# Altium PCB top.PcbDoc (part 2 of 5)
Units mil, origin at the board's own origin, x right, y up, seen from the top; angles counter-clockwise.
Board outline 12029.02 x 5828 mil, 2 copper layers (Top Layer, Bottom Layer); 703 components, 430 nets, 1840 pads, 2249 vias.
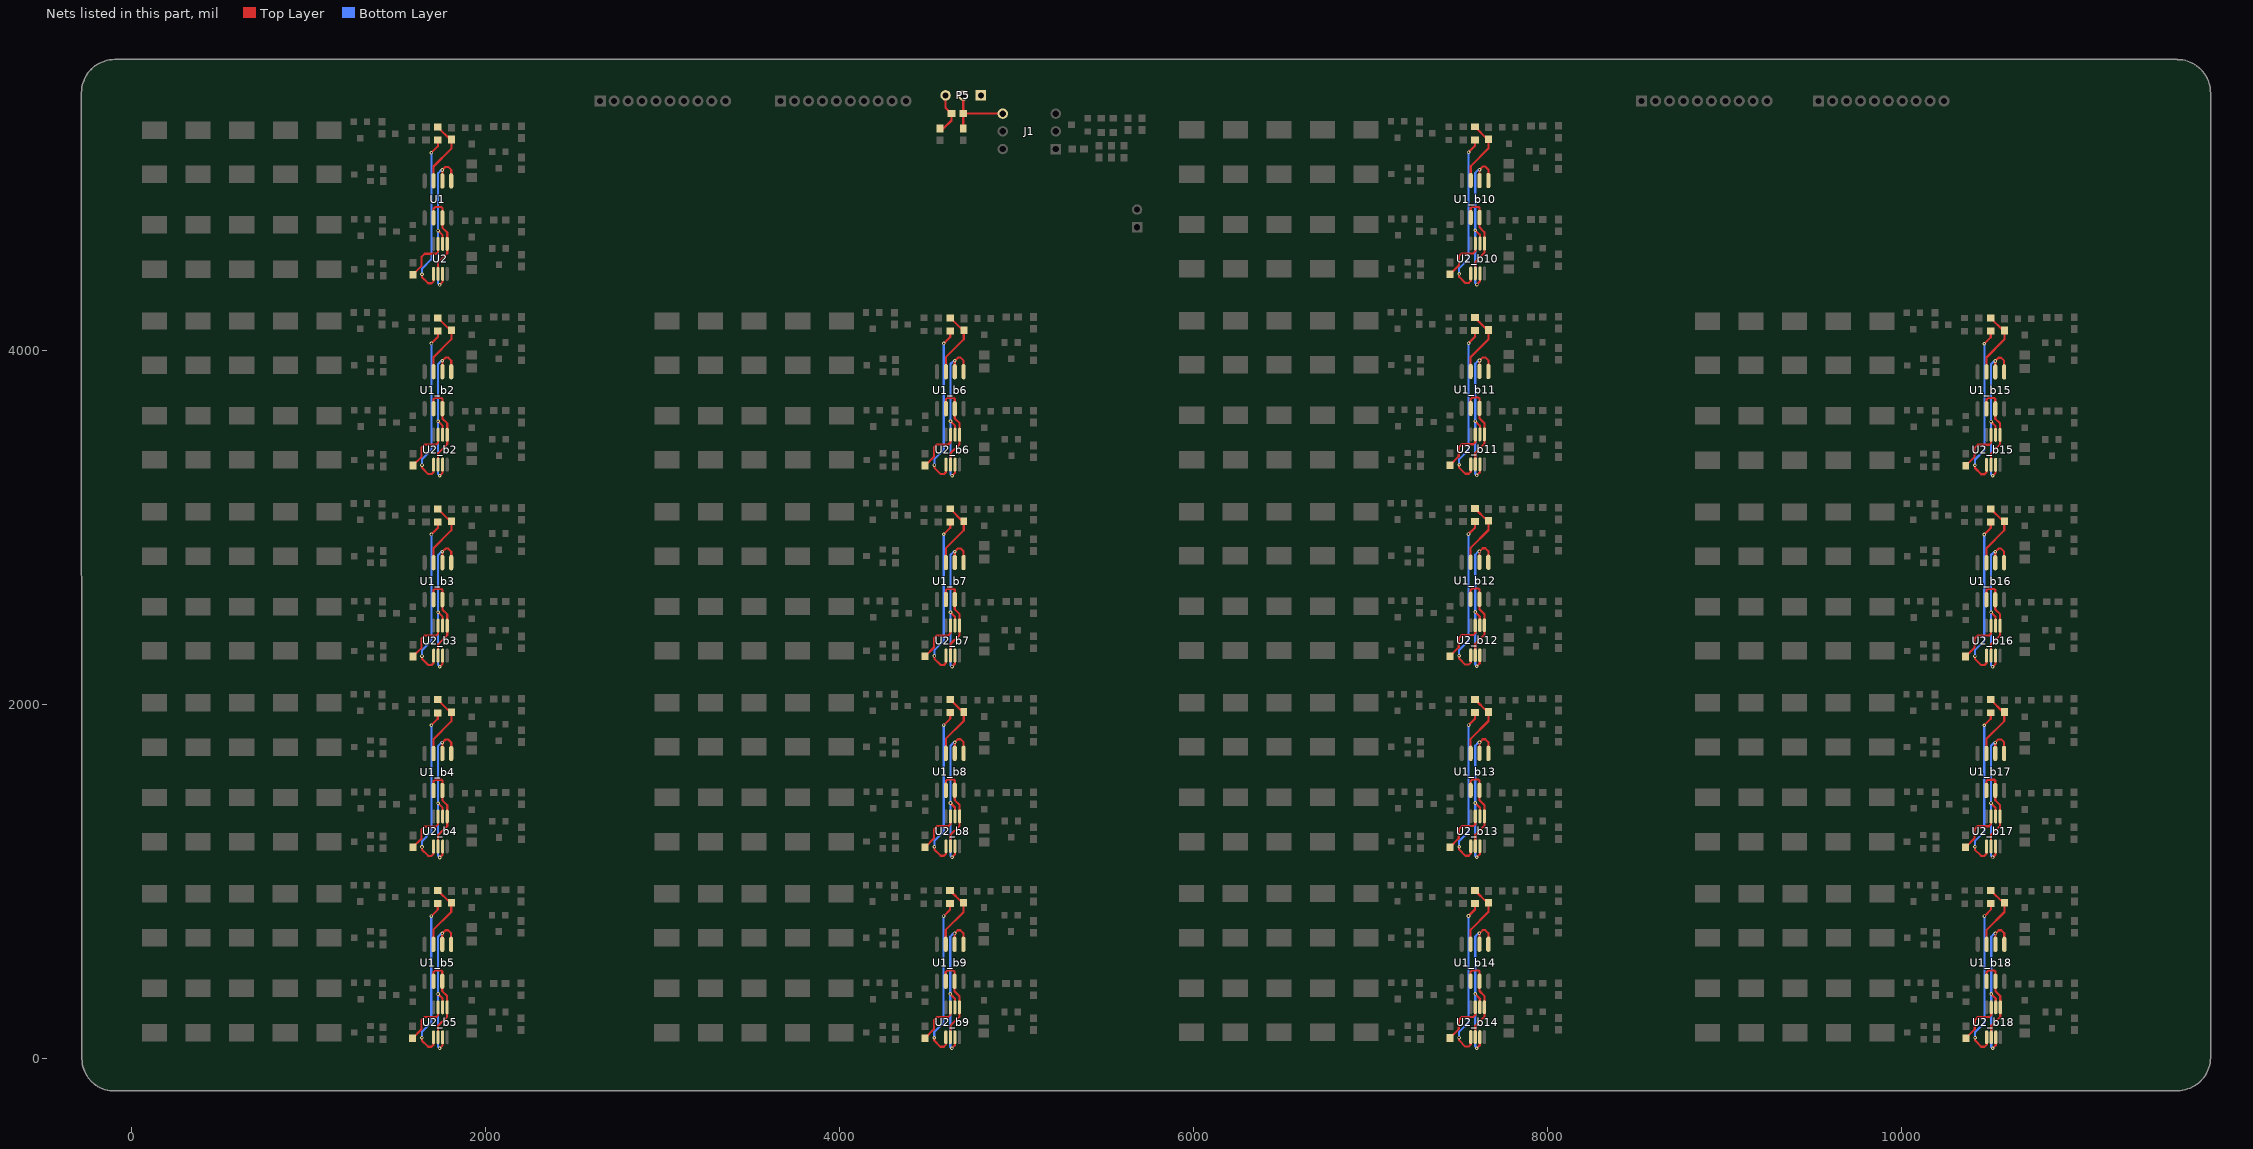
[diagram p2: the nets of this part, all layers, seen from the top]

## Components (designator, comment, footprint, x,y, rotation, side; value= is the part's Value field where it differs from the comment) (continued)
R20_b8 "Res1" 0603-1 4976.87,1504.2 r0 top (schematic designator R20)
R20_b9 "Res1" 0603-1 4975.87,425.2 r0 top (schematic designator R20)
R20_b10 "Res1" 0603-1 7942,4740.46 r0 top (schematic designator R20)
R20_b11 "Res1" 0603-1 7941.87,3662.2 r0 top (schematic designator R20)
R20_b12 "Res1" 0603-1 7941.6,2583.6 r0 top (schematic designator R20)
R20_b13 "Res1" 0603-1 7941.87,1504.2 r0 top (schematic designator R20)
R20_b14 "Res1" 0603-1 7941.6,425.74 r0 top (schematic designator R20)
R20_b15 "Res1" 0603-1 10856,3659.46 r0 top (schematic designator R20)
R20_b16 "Res1" 0603-1 10855.87,2581.2 r0 top (schematic designator R20)
R20_b17 "Res1" 0603-1 10855.67,1503.6 r0 top (schematic designator R20)
R20_b18 "Res1" 0603-1 10856.87,425.2 r0 top (schematic designator R20)
R21 "Res1" 0603-1 2204,4705.54 r90 top
R21_b2 "Res1" 0603-1 2204,3627.46 r90 top (schematic designator R21)
R21_b3 "Res1" 0603-1 2204,2548.54 r90 top (schematic designator R21)
R21_b4 "Res1" 0603-1 2203.87,1470.2 r90 top (schematic designator R21)
R21_b5 "Res1" 0603-1 2203.46,392.07 r90 top (schematic designator R21)
R21_b6 "Res1" 0603-1 5099,3627.46 r90 top (schematic designator R21)
R21_b7 "Res1" 0603-1 5098.87,2549.2 r90 top (schematic designator R21)
R21_b8 "Res1" 0603-1 5098.87,1471.2 r90 top (schematic designator R21)
R21_b9 "Res1" 0603-1 5097.87,392.2 r90 top (schematic designator R21)
R21_b10 "Res1" 0603-1 8064,4707.46 r90 top (schematic designator R21)
R21_b11 "Res1" 0603-1 8063.87,3629.2 r90 top (schematic designator R21)
R21_b12 "Res1" 0603-1 8063.6,2550.6 r90 top (schematic designator R21)
R21_b13 "Res1" 0603-1 8063.87,1471.2 r90 top (schematic designator R21)
R21_b14 "Res1" 0603-1 8063.6,392.74 r90 top (schematic designator R21)
R21_b15 "Res1" 0603-1 10978,3626.46 r90 top (schematic designator R21)
R21_b16 "Res1" 0603-1 10977.87,2548.2 r90 top (schematic designator R21)
R21_b17 "Res1" 0603-1 10977.67,1470.6 r90 top (schematic designator R21)
R21_b18 "Res1" 0603-1 10978.87,392.2 r90 top (schematic designator R21)
R22 "Res1" 0603-1 1591,4462.54 r270 top
R22_b2 "Res1" 0603-1 1591,3384.46 r270 top (schematic designator R22)
R22_b3 "Res1" 0603-1 1591,2305.54 r270 top (schematic designator R22)
R22_b4 "Res1" 0603-1 1590.87,1227.2 r270 top (schematic designator R22)
R22_b5 "Res1" 0603-1 1590.46,149.07 r270 top (schematic designator R22)
R22_b6 "Res1" 0603-1 4486,3384.46 r270 top (schematic designator R22)
R22_b7 "Res1" 0603-1 4485.87,2306.2 r270 top (schematic designator R22)
R22_b8 "Res1" 0603-1 4485.87,1228.2 r270 top (schematic designator R22)
R22_b9 "Res1" 0603-1 4484.87,149.2 r270 top (schematic designator R22)
R22_b10 "Res1" 0603-1 7451,4464.46 r270 top (schematic designator R22)
R22_b11 "Res1" 0603-1 7450.87,3386.2 r270 top (schematic designator R22)
R22_b12 "Res1" 0603-1 7450.6,2307.6 r270 top (schematic designator R22)
R22_b13 "Res1" 0603-1 7450.87,1228.2 r270 top (schematic designator R22)
R22_b14 "Res1" 0603-1 7450.6,149.74 r270 top (schematic designator R22)
R22_b15 "Res1" 0603-1 10365,3383.46 r270 top (schematic designator R22)
R22_b16 "Res1" 0603-1 10364.87,2305.2 r270 top (schematic designator R22)
R22_b17 "Res1" 0603-1 10364.67,1227.6 r270 top (schematic designator R22)
R22_b18 "Res1" 0603-1 10365.87,149.2 r270 top (schematic designator R22)
R23 "Res1" 0603-1 1424,4456.54 r90 top
R23_b2 "Res1" 0603-1 1424,3378.46 r90 top (schematic designator R23)
R23_b3 "Res1" 0603-1 1424,2299.54 r90 top (schematic designator R23)
R23_b4 "Res1" 0603-1 1423.87,1221.2 r90 top (schematic designator R23)
R23_b5 "Res1" 0603-1 1423.46,143.07 r90 top (schematic designator R23)
R23_b6 "Res1" 0603-1 4319,3378.46 r90 top (schematic designator R23)
R23_b7 "Res1" 0603-1 4318.87,2300.2 r90 top (schematic designator R23)
R23_b8 "Res1" 0603-1 4318.87,1222.2 r90 top (schematic designator R23)
R23_b9 "Res1" 0603-1 4317.87,143.2 r90 top (schematic designator R23)
R23_b10 "Res1" 0603-1 7284,4458.46 r90 top (schematic designator R23)
R23_b11 "Res1" 0603-1 7283.87,3380.2 r90 top (schematic designator R23)
R23_b12 "Res1" 0603-1 7283.6,2301.6 r90 top (schematic designator R23)
R23_b13 "Res1" 0603-1 7283.87,1222.2 r90 top (schematic designator R23)
R23_b14 "Res1" 0603-1 7283.6,143.74 r90 top (schematic designator R23)
R23_b15 "Res1" 0603-1 10198,3377.46 r90 top (schematic designator R23)
R23_b16 "Res1" 0603-1 10197.87,2299.2 r90 top (schematic designator R23)
R23_b17 "Res1" 0603-1 10197.67,1221.6 r90 top (schematic designator R23)
R23_b18 "Res1" 0603-1 10198.87,143.2 r90 top (schematic designator R23)
R24 "Res1" 0603-1 2204,4508.54 r90 top
R24_b2 "Res1" 0603-1 2204,3430.46 r90 top (schematic designator R24)
R24_b3 "Res1" 0603-1 2204,2351.54 r90 top (schematic designator R24)
R24_b4 "Res1" 0603-1 2203.87,1273.2 r90 top (schematic designator R24)
R24_b5 "Res1" 0603-1 2203.46,195.07 r90 top (schematic designator R24)
R24_b6 "Res1" 0603-1 5099,3430.46 r90 top (schematic designator R24)
R24_b7 "Res1" 0603-1 5098.87,2352.2 r90 top (schematic designator R24)
R24_b8 "Res1" 0603-1 5098.87,1274.2 r90 top (schematic designator R24)
R24_b9 "Res1" 0603-1 5097.87,195.2 r90 top (schematic designator R24)
R24_b10 "Res1" 0603-1 8064,4510.46 r90 top (schematic designator R24)
R24_b11 "Res1" 0603-1 8063.87,3432.2 r90 top (schematic designator R24)
R24_b12 "Res1" 0603-1 8063.6,2353.6 r90 top (schematic designator R24)
R24_b13 "Res1" 0603-1 8063.87,1274.2 r90 top (schematic designator R24)
R24_b14 "Res1" 0603-1 8063.6,195.74 r90 top (schematic designator R24)
R24_b15 "Res1" 0603-1 10978,3429.46 r90 top (schematic designator R24)
R24_b16 "Res1" 0603-1 10977.87,2351.2 r90 top (schematic designator R24)
R24_b17 "Res1" 0603-1 10977.67,1273.6 r90 top (schematic designator R24)
R24_b18 "Res1" 0603-1 10978.87,195.2 r90 top (schematic designator R24)
R25 "Res1" 0603-1 5350,5139 r180 top
R26 "Res1" 0603-1 4701,5222 r90 top
R27 "Res1" 0603-1 4569,5222 r90 top
R28 "Res1" 0603-1 5515,5313 r0 top
R29 "Res1" 0603-1 5468,5125 r90 top
R30 "Res1" 0603-1 5539,5125 r90 top
R31 "Res1" 0603-1 5610,5124 r90 top
R32 "Res1" 0603-1 5631,5280 r90 top
R33 "Res1" 0603-1 5515,5233 r180 top
R34 "Res1" 0603-1 5712,5280 r90 top
U1 "LM358" SOIC-8 1733,4854.54 r270 top
U1_b2 "LM358" SOIC-8 1733,3776.46 r270 top (schematic designator U1)
U1_b3 "LM358" SOIC-8 1733,2697.54 r270 top (schematic designator U1)
U1_b4 "LM358" SOIC-8 1732.87,1619.2 r270 top (schematic designator U1)
U1_b5 "LM358" SOIC-8 1732.46,541.07 r270 top (schematic designator U1)
U1_b6 "LM358" SOIC-8 4628,3776.46 r270 top (schematic designator U1)
U1_b7 "LM358" SOIC-8 4627.87,2698.2 r270 top (schematic designator U1)
U1_b8 "LM358" SOIC-8 4627.87,1620.2 r270 top (schematic designator U1)
U1_b9 "LM358" SOIC-8 4626.87,541.2 r270 top (schematic designator U1)
U1_b10 "LM358" SOIC-8 7593,4856.46 r270 top (schematic designator U1)
U1_b11 "LM358" SOIC-8 7592.87,3778.2 r270 top (schematic designator U1)
U1_b12 "LM358" SOIC-8 7592.6,2699.6 r270 top (schematic designator U1)
U1_b13 "LM358" SOIC-8 7592.87,1620.2 r270 top (schematic designator U1)
U1_b14 "LM358" SOIC-8 7592.6,541.74 r270 top (schematic designator U1)
U1_b15 "LM358" SOIC-8 10507,3775.46 r270 top (schematic designator U1)
U1_b16 "LM358" SOIC-8 10506.87,2697.2 r270 top (schematic designator U1)
U1_b17 "LM358" SOIC-8 10506.67,1619.6 r270 top (schematic designator U1)
U1_b18 "LM358" SOIC-8 10507.87,541.2 r270 top (schematic designator U1)
U2 "LM358" MSOP-8 1747,4518.54 r90 top
U2_b2 "LM358" MSOP-8 1747,3440.46 r90 top (schematic designator U2)
U2_b3 "LM358" MSOP-8 1747,2361.54 r90 top (schematic designator U2)
U2_b4 "LM358" MSOP-8 1746.87,1283.2 r90 top (schematic designator U2)
U2_b5 "LM358" MSOP-8 1746.46,205.07 r90 top (schematic designator U2)
U2_b6 "LM358" MSOP-8 4642,3440.46 r90 top (schematic designator U2)
U2_b7 "LM358" MSOP-8 4641.87,2362.2 r90 top (schematic designator U2)
U2_b8 "LM358" MSOP-8 4641.87,1284.2 r90 top (schematic designator U2)
U2_b9 "LM358" MSOP-8 4640.87,205.2 r90 top (schematic designator U2)
U2_b10 "LM358" MSOP-8 7607,4520.46 r90 top (schematic designator U2)
U2_b11 "LM358" MSOP-8 7606.87,3442.2 r90 top (schematic designator U2)
U2_b12 "LM358" MSOP-8 7606.6,2363.6 r90 top (schematic designator U2)
U2_b13 "LM358" MSOP-8 7606.87,1284.2 r90 top (schematic designator U2)
U2_b14 "LM358" MSOP-8 7606.6,205.74 r90 top (schematic designator U2)
U2_b15 "LM358" MSOP-8 10521,3439.46 r90 top (schematic designator U2)
U2_b16 "LM358" MSOP-8 10520.87,2361.2 r90 top (schematic designator U2)
U2_b17 "LM358" MSOP-8 10520.67,1283.6 r90 top (schematic designator U2)
U2_b18 "LM358" MSOP-8 10521.87,205.2 r90 top (schematic designator U2)

## Footprints (in the part's own frame and the unit in brackets; to place one, negate y for a bottom-side part, rotate by r counter-clockwise, add the part's x,y. Pads: shape width x height; smd on the part's side, far side on the other; paste and mask are expansions set on the pad)
0603-1 [mm] "0603带丝印"
  rect 1.1x1 smd: 1(-0.85,0) 2(0.85,0)
  silkscreen extent -1.65,-0.76 1.65,0.76, body extent -0.8,-0.4 0.8,0.4, height 0.3
2512 [mm] "贴片元件"
  rect 2.5x3.6 smd: 1(-3.175,0) 2(3.175,0)
  silkscreen extent -4.7,-2.2 4.7,2.2, body extent -3.17,-1.65 3.17,1.65, height 1.2
C-0603 [mm] "贴片电容"
  rect 1.1x1 smd: 1(-0.85,0) 2(0.85,0)
  silkscreen extent -1.73,-0.76 1.73,0.76, body extent -0.8,-0.4 0.8,0.4, height 0.3
DIP-6 [mm]
  rect 1.5x1.5 hole 0.9: 1(-3.81,2.54)
  round 1.5 hole 0.9: 2(-3.81,0) 3(-3.81,-2.54) 4(3.81,-2.54) 5(3.81,0) 6(3.81,2.54)
  silkscreen extent -3.94,-3.94 2.65,3.96, body extent -3.6,-3.94 3.6,3.88, height 5.08
HDR2X1-2.54 [mm] "2.54单排针排座"
  rect 1.5x1.5 hole 0.9: 1(0,0)
  round 1.5 hole 0.9: 2(2.54,0)
  silkscreen extent -1.27,-1.27 3.81,1.27, body extent -1.27,-1.27 3.81,1.27, height 8.54
HDR3X1-2.54 [mm] "2.54单排针排座"
  rect 1.5x1.5 hole 0.9: 1(0,0)
  round 1.5 hole 0.9: 2(2.54,0) 3(5.08,0)
  silkscreen extent -1.27,-1.27 6.35,1.27, body extent -1.27,-1.27 6.35,1.27, height 8.54
LED-0805 [mm] "贴片LED"
  rect 1.3x1.5 smd: 1(-0.95,0) 2(0.95,0)
  silkscreen extent 1.91,-0.63 1.91,0.64
MSOP-8 [mm] "TSOP"
  oval 2x0.45 smd: 1(-2.15,0.975) 2(-2.15,0.325) 3(-2.15,-0.325) 4(-2.15,-0.975) 5(2.15,-0.975) 6(2.15,-0.325) 7(2.15,0.325) 8(2.15,0.975)
  silkscreen extent -2.27,-1.55 0.75,1.87, body extent -2.5,-1.5 2.5,1.5, height 0.85
PH2.0-10P [mm] "PH2.0端子"
  rect 1.6x1.6 hole 0.86: 1(0,0)
  round 1.6 hole 0.86: 2(2,0) 3(4,0) 4(6,0) 5(8,0) 6(10,0) 7(12,0) 8(14,0) 9(16,0) 10(18,0)
  silkscreen extent -2.03,-3.17 20.07,2.67
SOIC-8 [mm]
  oval 2.2x0.6 smd: 1(-2.654,1.905) 2(-2.654,0.635) 3(-2.654,-0.635) 4(-2.654,-1.905) 5(2.654,-1.905) 6(2.654,-0.635) 7(2.654,0.635) 8(2.654,1.905)
  silkscreen extent -2.52,-2.5 0.9,2.88, body extent -3,-2.45 3,2.45, height 1.7
SOT23-3 [mm]
  rect 0.9x0.95 smd: 1(-0.95,-1.175) 2(0.95,-1.175) 3(0,1.175)
  silkscreen extent -2.03,-1.14 1.3,1.18, body extent -1.45,-1.4 1.45,1.4, height 1.2

## Part data
C1: "贴片瓷片电容"
D1 D1_b2 D1_b3 D1_b4 D1_b5 D1_b6 D1_b7 D1_b8 D1_b9 D1_b10 D1_b11 D1_b12 D1_b13 D1_b14 D1_b15 D1_b16 D1_b17 D1_b18 D2 D2_b2 D2_b3 D2_b4 D2_b5 D2_b6 D2_b7 D2_b8 D2_b9 D2_b10 D2_b11 D2_b12 D2_b13 D2_b14 D2_b15 D2_b16 D2_b17 D2_b18: library part Diode-R, "整流二极管"
J1: "固态继电器"
P1 P2 P3 P4 P5 P6: "接插件"
Q1 Q1_b2 Q1_b3 Q1_b4 Q1_b5 Q1_b6 Q1_b7 Q1_b8 Q1_b9 Q1_b10 Q1_b11 Q1_b12 Q1_b13 Q1_b14 Q1_b15 Q1_b16 Q1_b17 Q1_b18 Q2 Q2_b2 Q2_b3 Q2_b4 Q2_b5 Q2_b6 Q2_b7 Q2_b8 Q2_b9 Q2_b10 Q2_b11 Q2_b12 Q2_b13 Q2_b14 Q2_b15 Q2_b16 Q2_b17 Q2_b18 Q6 Q6_b2 Q6_b3 Q6_b4 Q6_b5 Q6_b6 Q6_b7 Q6_b8 Q6_b9 Q6_b10 Q6_b11 Q6_b12 Q6_b13 Q6_b14 Q6_b15 Q6_b16 Q6_b17 Q6_b18 Q7 Q7_b2 Q7_b3 Q7_b4 Q7_b5 Q7_b6 Q7_b7 Q7_b8 Q7_b9 Q7_b10 Q7_b11 Q7_b12 Q7_b13 Q7_b14 Q7_b15 Q7_b16 Q7_b17 Q7_b18: library part PNP1, "贴片三极管"
Q3 Q3_b2 Q3_b3 Q3_b4 Q3_b5 Q3_b6 Q3_b7 Q3_b8 Q3_b9 Q3_b10 Q3_b11 Q3_b12 Q3_b13 Q3_b14 Q3_b15 Q3_b16 Q3_b17 Q3_b18 Q4 Q4_b2 Q4_b3 Q4_b4 Q4_b5 Q4_b6 Q4_b7 Q4_b8 Q4_b9 Q4_b10 Q4_b11 Q4_b12 Q4_b13 Q4_b14 Q4_b15 Q4_b16 Q4_b17 Q4_b18 Q8 Q8_b2 Q8_b3 Q8_b4 Q8_b5 Q8_b6 Q8_b7 Q8_b8 Q8_b9 Q8_b10 Q8_b11 Q8_b12 Q8_b13 Q8_b14 Q8_b15 Q8_b16 Q8_b17 Q8_b18 Q9 Q9_b2 Q9_b3 Q9_b4 Q9_b5 Q9_b6 Q9_b7 Q9_b8 Q9_b9 Q9_b10 Q9_b11 Q9_b12 Q9_b13 Q9_b14 Q9_b15 Q9_b16 Q9_b17 Q9_b18 Q11: library part NPN1, "贴片三极管"
Q5 Q5_b2 Q5_b3 Q5_b4 Q5_b5 Q5_b6 Q5_b7 Q5_b8 Q5_b9 Q5_b10 Q5_b11 Q5_b12 Q5_b13 Q5_b14 Q5_b15 Q5_b16 Q5_b17 Q5_b18 Q10 Q10_b2 Q10_b3 Q10_b4 Q10_b5 Q10_b6 Q10_b7 Q10_b8 Q10_b9 Q10_b10 Q10_b11 Q10_b12 Q10_b13 Q10_b14 Q10_b15 Q10_b16 Q10_b17 Q10_b18: library part MOSFET-N1, "MOSFET"
R1 R1_b2 R1_b3 R1_b4 R1_b5 R1_b6 R1_b7 R1_b8 R1_b9 R1_b10 R1_b11 R1_b12 R1_b13 R1_b14 R1_b15 R1_b16 R1_b17 R1_b18 R2 R2_b2 R2_b3 R2_b4 R2_b5 R2_b6 R2_b7 R2_b8 R2_b9 R2_b10 R2_b11 R2_b12 R2_b13 R2_b14 R2_b15 R2_b16 R2_b17 R2_b18 R3 R3_b2 R3_b3 R3_b4 R3_b5 R3_b6 R3_b7 R3_b8 R3_b9 R3_b10 R3_b11 R3_b12 R3_b13 R3_b14 R3_b15 R3_b16 R3_b17 R3_b18 R4 R4_b2 R4_b3 R4_b4 R4_b5 R4_b6 R4_b7 R4_b8 R4_b9 R4_b10 R4_b11 R4_b12 R4_b13 R4_b14 R4_b15 R4_b16 R4_b17 R4_b18 R5 R5_b2 R5_b3 R5_b4 R5_b5 R5_b6 R5_b7 R5_b8 R5_b9 R5_b10 R5_b11 R5_b12 R5_b13 R5_b14 R5_b15 R5_b16 R5_b17 R5_b18 R6 R6_b2 R6_b3 R6_b4 R6_b5 R6_b6 R6_b7 R6_b8 R6_b9 R6_b10 R6_b11 R6_b12 R6_b13 R6_b14 R6_b15 R6_b16 R6_b17 R6_b18 R7 R7_b2 R7_b3 R7_b4 R7_b5 R7_b6 R7_b7 R7_b8 R7_b9 R7_b10 R7_b11 R7_b12 R7_b13 R7_b14 R7_b15 R7_b16 R7_b17 R7_b18 R8 R8_b2 R8_b3 R8_b4 R8_b5 R8_b6 R8_b7 R8_b8 R8_b9 R8_b10 R8_b11 R8_b12 R8_b13 R8_b14 R8_b15 R8_b16 R8_b17 R8_b18 R9 R9_b2 R9_b3 R9_b4 R9_b5 R9_b6 R9_b7 R9_b8 R9_b9 R9_b10 R9_b11 R9_b12 R9_b13 R9_b14 R9_b15 R9_b16 R9_b17 R9_b18 R10 R10_b2 R10_b3 R10_b4 R10_b5 R10_b6 R10_b7 R10_b8 R10_b9 R10_b10 R10_b11 R10_b12 R10_b13 R10_b14 R10_b15 R10_b16 R10_b17 R10_b18 R11 R11_b2 R11_b3 R11_b4 R11_b5 R11_b6 R11_b7 R11_b8 R11_b9 R11_b10 R11_b11 R11_b12 R11_b13 R11_b14 R11_b15 R11_b16 R11_b17 R11_b18 R12 R12_b2 R12_b3 R12_b4 R12_b5 R12_b6 R12_b7 R12_b8 R12_b9 R12_b10 R12_b11 R12_b12 R12_b13 R12_b14 R12_b15 R12_b16 R12_b17 R12_b18 R13 R13_b2 R13_b3 R13_b4 R13_b5 R13_b6 R13_b7 R13_b8 R13_b9 R13_b10 R13_b11 R13_b12 R13_b13 R13_b14 R13_b15 R13_b16 R13_b17 R13_b18 R14 R14_b2 R14_b3 R14_b4 R14_b5 R14_b6 R14_b7 R14_b8 R14_b9 R14_b10 R14_b11 R14_b12 R14_b13 R14_b14 R14_b15 R14_b16 R14_b17 R14_b18 R15 R15_b2 R15_b3 R15_b4 R15_b5 R15_b6 R15_b7 R15_b8 R15_b9 R15_b10 R15_b11 R15_b12 R15_b13 R15_b14 R15_b15 R15_b16 R15_b17 R15_b18 R16 R16_b2 R16_b3 R16_b4 R16_b5 R16_b6 R16_b7 R16_b8 R16_b9 R16_b10 R16_b11 R16_b12 R16_b13 R16_b14 R16_b15 R16_b16 R16_b17 R16_b18 R17 R17_b2 R17_b3 R17_b4 R17_b5 R17_b6 R17_b7 R17_b8 R17_b9 R17_b10 R17_b11 R17_b12 R17_b13 R17_b14 R17_b15 R17_b16 R17_b17 R17_b18 R18 R18_b2 R18_b3 R18_b4 R18_b5 R18_b6 R18_b7 R18_b8 R18_b9 R18_b10 R18_b11 R18_b12 R18_b13 R18_b14 R18_b15 R18_b16 R18_b17 R18_b18 R19 R19_b2 R19_b3 R19_b4 R19_b5 R19_b6 R19_b7 R19_b8 R19_b9 R19_b10 R19_b11 R19_b12 R19_b13 R19_b14 R19_b15 R19_b16 R19_b17 R19_b18 R20 R20_b2 R20_b3 R20_b4 R20_b5 R20_b6 R20_b7 R20_b8 R20_b9 R20_b10 R20_b11 R20_b12 R20_b13 R20_b14 R20_b15 R20_b16 R20_b17 R20_b18 R21 R21_b2 R21_b3 R21_b4 R21_b5 R21_b6 R21_b7 R21_b8 R21_b9 R21_b10 R21_b11 R21_b12 R21_b13 R21_b14 R21_b15 R21_b16 R21_b17 R21_b18 R22 R22_b2 R22_b3 R22_b4 R22_b5 R22_b6 R22_b7 R22_b8 R22_b9 R22_b10 R22_b11 R22_b12 R22_b13 R22_b14 R22_b15 R22_b16 R22_b17 R22_b18 R23 R23_b2 R23_b3 R23_b4 R23_b5 R23_b6 R23_b7 R23_b8 R23_b9 R23_b10 R23_b11 R23_b12 R23_b13 R23_b14 R23_b15 R23_b16 R23_b17 R23_b18 R24 R24_b2 R24_b3 R24_b4 R24_b5 R24_b6 R24_b7 R24_b8 R24_b9 R24_b10 R24_b11 R24_b12 R24_b13 R24_b14 R24_b15 R24_b16 R24_b17 R24_b18 R25 R26 R27 R28 R29 R30 R31 R32 R33 R34: "贴片电阻"
U1 U1_b2 U1_b3 U1_b4 U1_b5 U1_b6 U1_b7 U1_b8 U1_b9 U1_b10 U1_b11 U1_b12 U1_b13 U1_b14 U1_b15 U1_b16 U1_b17 U1_b18 U2 U2_b2 U2_b3 U2_b4 U2_b5 U2_b6 U2_b7 U2_b8 U2_b9 U2_b10 U2_b11 U2_b12 U2_b13 U2_b14 U2_b15 U2_b16 U2_b17 U2_b18: "双运放"

## Via types
v1: diameter 20, hole 10, Top Layer to Bottom Layer, 2208 vias
v2: diameter 50, hole 28, Top Layer to Bottom Layer, 19 vias
v3: diameter 40, hole 20, Top Layer to Bottom Layer, 18 vias
v4: diameter 125.98, hole 125.98, Top Layer to Bottom Layer, 4 vias

## Nets (pads, with @x,y where several pads share a name; then routed paths per layer and width w, separated by ;. In a path a pad name is that pad's centre, name@x,y a point inside that pad or via, vN(x,y) a via of type N, cw(c..) or ccw(c..) an arc to the next point about the centre after c; other vN are vias at no path point)
12V_GND: C1.2 J1.4 P5.2 R26.2 | length 409.7
  Top Layer w12: R26.2@4701,5255.46 C1.2@4701,5339.46 ; P5.2@4701,5442 C1.2@4701,5339.46 ; J1.4@4924,5339 C1.2@4701.46,5339 C1.2@4701,5339.46
+12V: P5.1
ALARM: C1.1 P5.3 R27.2 | length 239.6
  Top Layer w12: R27.2@4569,5255.46 4589.46,5255.46 4634.54,5300.54 C1.1@4634.54,5339 4601,5372.54 P5.3@4601,5442
G1_VC1_BUF: U1.1 U1.2 U2.3 U2.6 | length 1011.1
  Top Layer w12: v1(1734,4678.54) 1759.8,4652.74 U2.6@1759.8,4603.18 ; v1(1743,4371.54) 1759.8,4388.33 U2.3@1759.8,4433.89 U2.3@1760.53,4434.62 ; U1.2@1758,4959.02 v1(1758,5020.54) 1776,5038.54 1791,5038.54 1808,5021.54 U1.1@1808,4959.02
  Bottom Layer w12: v1(1743,4371.54) 1734,4380.54 v1(1734,4678.54) 1734,5002.54 1752,5020.54 v1(1758,5020.54)
G1_VC1_BUF_b2: U1_b2.1 U1_b2.2 U2_b2.3 U2_b2.6 | length 1011.1
  Top Layer w12: v1(1734,3600.46) 1759.8,3574.67 U2_b2.6@1759.8,3525.11 ; v1(1743,3293.46) 1759.8,3310.26 U2_b2.3@1759.8,3355.82 U2_b2.3@1760.53,3356.55 ; U1_b2.2@1758,3880.95 v1(1758,3942.46) 1776,3960.46 1791,3960.46 1808,3943.46 U1_b2.1@1808,3880.95
  Bottom Layer w12: v1(1743,3293.46) 1734,3302.46 v1(1734,3600.46) 1734,3924.46 1752,3942.46 v1(1758,3942.46)
G1_VC1_BUF_b3: U1_b3.1 U1_b3.2 U2_b3.3 U2_b3.6 | length 1011.1
  Top Layer w12: v1(1734,2521.54) 1759.8,2495.74 U2_b3.6@1759.8,2446.18 ; v1(1743,2214.54) 1759.8,2231.33 U2_b3.3@1759.8,2276.89 U2_b3.3@1760.53,2277.62 ; U1_b3.2@1758,2802.02 v1(1758,2863.54) 1776,2881.54 1791,2881.54 1808,2864.54 U1_b3.1@1808,2802.02
  Bottom Layer w12: v1(1743,2214.54) 1734,2223.54 v1(1734,2521.54) 1734,2845.54 1752,2863.54 v1(1758,2863.54)
G1_VC1_BUF_b4: U1_b4.1 U1_b4.2 U2_b4.3 U2_b4.6 | length 1011.1
  Top Layer w12: v1(1733.87,1443.2) 1759.67,1417.4 U2_b4.6@1759.67,1367.84 ; v1(1742.87,1136.2) 1759.67,1152.99 U2_b4.3@1759.67,1198.55 U2_b4.3@1760.4,1199.28 ; U1_b4.2@1757.87,1723.68 v1(1757.87,1785.2) 1775.87,1803.2 1790.87,1803.2 1807.87,1786.2 U1_b4.1@1807.87,1723.68
  Bottom Layer w12: v1(1742.87,1136.2) 1733.87,1145.2 v1(1733.87,1443.2) 1733.87,1767.2 1751.87,1785.2 v1(1757.87,1785.2)
G1_VC1_BUF_b5: U1_b5.1 U1_b5.2 U2_b5.3 U2_b5.6 | length 1011.1
  Top Layer w12: v1(1733.46,365.07) 1759.26,339.28 U2_b5.6@1759.26,289.72 ; v1(1742.46,58.07) 1759.26,74.87 U2_b5.3@1759.26,120.43 U2_b5.3@1759.99,121.16 ; U1_b5.2@1757.46,645.56 v1(1757.46,707.07) 1775.46,725.07 1790.46,725.07 1807.46,708.07 U1_b5.1@1807.46,645.56